# Altium PCB Center Console.PcbDoc (continued)
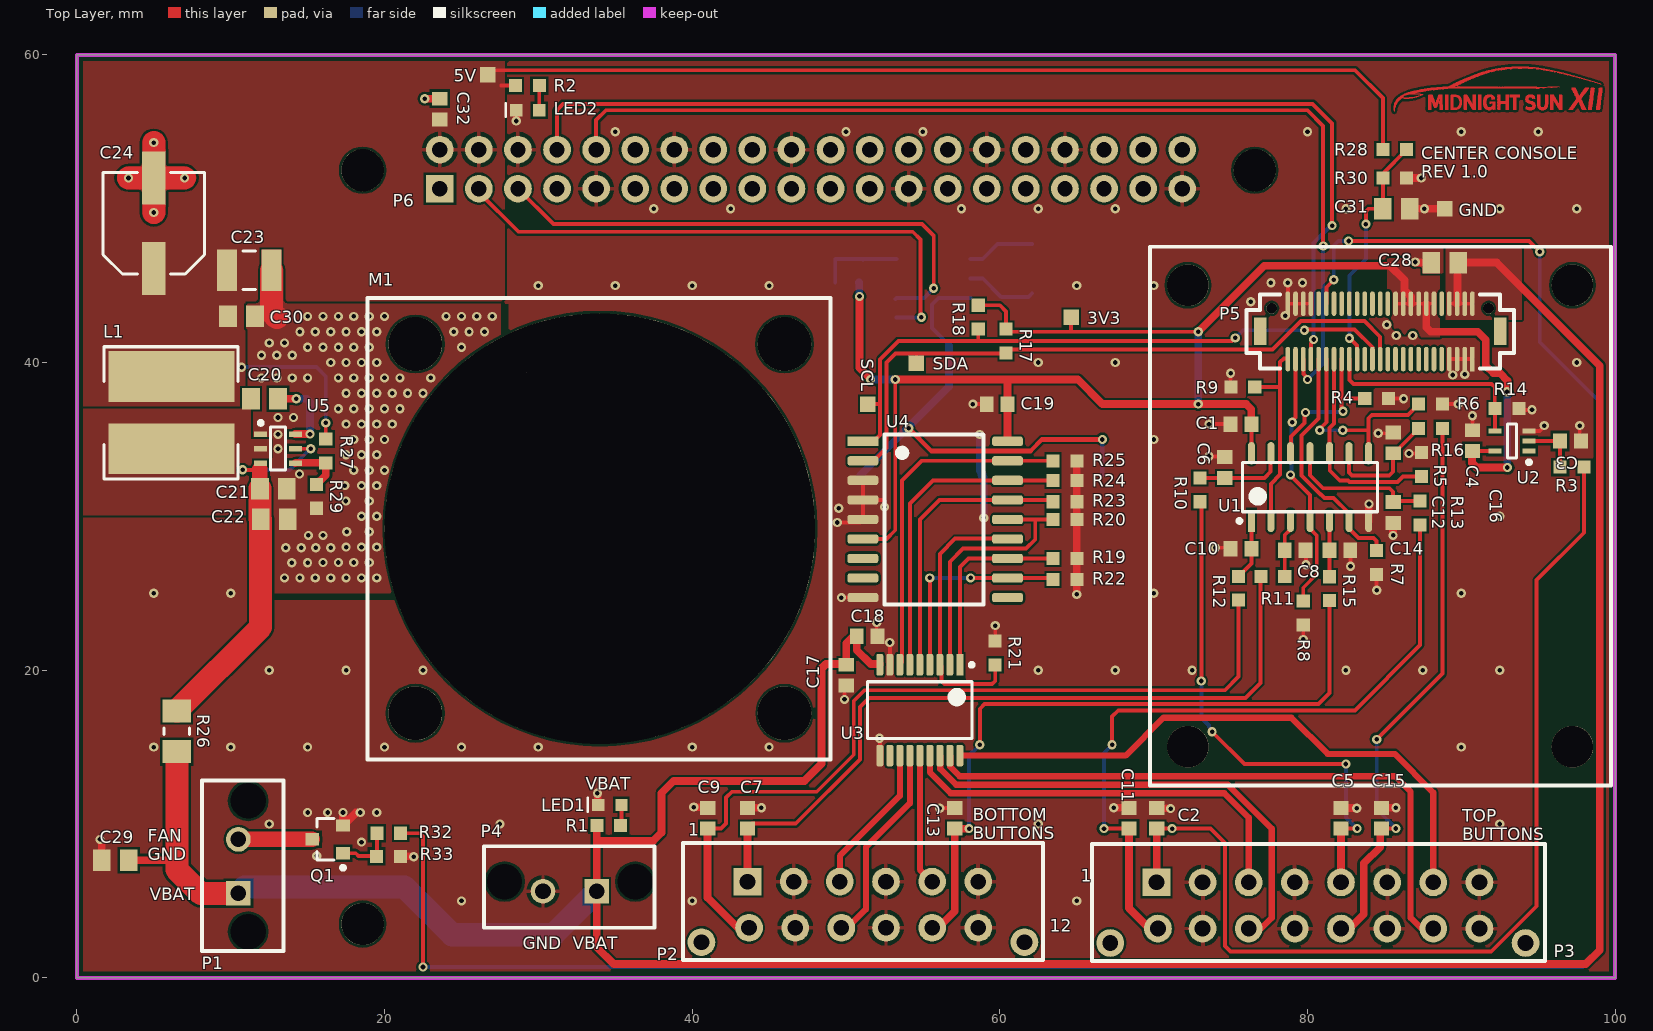
[diagram p0: Top Layer view]
## Part data (continued)
P2: "Connector Header Through Hole 12 position 0.118\" (3.00mm)", Current Rating=-, Insulation Color=Black, Manufacturer="Molex, LLC", Manufacturer Part Number=0430451227, Material Flammability Rating="UL94 V-0", Supplier Part Number 1=WM10697-ND, Applications="General Purpose, Medical, Military, Telecommunications", Category="Connectors, Interconnects", ComponentLink1Description=https://www.molex.com/pdm_docs/sd/430451227_sd.pdf, ComponentLink1URL=https://www.molex.com/pdm_docs/sd/430451227_sd.pdf, Connector Type=Header, Contact Finish - Mating=Tin, Contact Finish - Post=Tin, Contact Finish Thickness - Mating="60.0µin (1.52µm)", Contact Finish Thickness - Post=-, Contact Length - Mating=-, Contact Length - Post="0.125\" (3.18mm)", Contact Material=Brass, Contact Shape=Square, Contact Type="Male Pin", Fastening Type="Locking Ramp", Features="Board Guide", Ingress Protection=-, Insulation Height="0.390\" (9.91mm)", Insulation Material="Liquid Crystal Polymer (LCP), Glass Filled", Mated Stacking Heights=-, Mounting Type="Through Hole", Number of Positions=12, Number of Positions Loaded=All, Number of Rows=2, Operating Temperature=-, Overall Contact Length=-, Packaging=Tray, Part Status=Active, Pitch - Mating="0.118\" (3.00mm)", Pricing 1="1=3.61, 10=3.283, 25=3.0816, 50=2.9478, 100=2.8138, 250=2.5458, 500=2.34482, 1008=2.00985, 3024=1.87586 (CAD)", RoHS="RoHS Compliant", Row Spacing - Mating="0.118\" (3.00mm)", Shrouding="Shrouded - 4 Wall", Stock 1=1709, Style="Board to Cable/Wire", Supplier 1=Digi-Key, Termination=Solder, Voltage Rating=-
P3: "Connector Header Through Hole 16 position 0.118\"(3.00mm)", Color=Black, Contact Resistance=10mR, Manufacturer=Molex, Manufacturer Part Number=0430451627, Max Operating Temperature=105°C, Min Operating Temperature=-40°C, Package Quantity=792, Supplier Part Number 1=WM10708-ND, ComponentLink1Description=http://www.molex.com/pdm_docs/sd/430451627_sd.pdf, ComponentLink1URL=http://www.molex.com/pdm_docs/sd/430451627_sd.pdf, ComponentLink2Description=http://www.molex.com/webdocs/datasheets/pdf/en-us/0430451627_PCB_HEADERS.pdf, ComponentLink2URL=http://www.molex.com/webdocs/datasheets/pdf/en-us/0430451627_PCB_HEADERS.pdf, Connector Type="Male Pin", Contact Material=Brass, Contact Plating=Tin, Depth=8.77mm, Fastening Type=Ramp, Housing Color=Black, Housing Material=Polymer, Length=28.15mm, Mount="Through Hole", Number of Contacts=16, Number of Ports=1, Number of Positions=16, Number of Rows=2, Number of Terminals=16, Orientation=Straight, Packaging=Tray, Pitch=3mm, Pricing 1="1 = 3.26000, 10 = 3.12900, 25 = 2.86800, 50 = 2.73780, 100 = 2.60740, 250 = 2.28148, 792 = 2.02073, 1584 = 1.82518, 3168 = 1.75999 (USD)", RoHS=Yes, Row Spacing=0.118inch, Stock 1=4654, Supplier 1=Digi-Key, Termination=Solder
P4: "2 Positions Header, Shrouded Connector 0.138\" (3.50mm) Through Hole Gold", Current Rating=-, Insulation Color=Black, Manufacturer 1="Molex, LLC", Manufacturer Part Number 1=1722861302, Material Flammability Rating="UL94 V-0", Operating Temperature="-40°C ~ 120°C", Supplier Part Number 1=WM11673-ND, Voltage=400V, ComponentLink1Description=http://www.molex.com/pdm_docs/sd/1722861302_sd.pdf, ComponentLink1URL=http://www.molex.com/pdm_docs/sd/1722861302_sd.pdf, Connector Type=Header, Contact Finish - Mating=Gold, Contact Finish - Post=Tin, Contact Finish Thickness - Mating="30µin (0.76µm)", Contact Finish Thickness - Post="60µin (1.52µm)", Contact Length - Mating=-, Contact Length - Post="0.126\" (3.20mm)", Contact Material="Copper Alloy", Contact Shape=Square, Contact Type="Male Pin", Fastening Type="Latch Holder", Ingress Protection=-, Insulation Height="0.465\" (11.80mm)", Insulation Material="Liquid Crystal Polymer (LCP)", Mated Stacking Heights=26.99mm, Mounting Type="Through Hole", Number of Positions=2, Number of Positions Loaded=All, Number of Rows=1, Overall Contact Length=-, Packaging=Tray, Part Status=Active, Pitch - Mating="0.138\" (3.50mm)", Row Spacing - Mating=-, Series=UltraFit, Shrouding="Shrouded - 4 Wall", Style="Board to Board or Cable", Supplier 1=Digi-Key, Termination="Kinked Pin, Solder"
P5: "50 Position Connector Plug, Outer Shroud Contacts Surface Mount Gold", Manufacturer 1="Amphenol FCI", Manufacturer Part Number 1=10132797-055100LF, Supplier Part Number 1=609-5226-1-ND, ComponentLink1Description=http://portal.fciconnect.com/Comergent//fci/drawing/10132797.pdf, ComponentLink1URL=http://portal.fciconnect.com/Comergent//fci/drawing/10132797.pdf, Connector Type="Plug, Outer Shroud Contacts", Contact Finish=Gold, Contact Finish Thickness="1µin (0.025µm)", Height Above Board="0.169\" (4.30mm)", Mated Stacking Heights=5mm, Mounting Type="Surface Mount", Number of Positions=50, Number of Rows=2, Packaging="Cut Tape (CT)", Part Status=Active, Pitch="0.020\" (0.50mm)", Series="BergStak Plug", Supplier 1=Digi-Key
P6: "GPIO HEADER FOR RASPBERRYPI A+/B", Manufacturer="Adafruit Industries", Manufacturer Part Number=1992, Supplier Part Number 1=1528-1969-ND, ComponentLink1Description="gpio header raspberry pi", ComponentLink1URL=https://www.digikey.ca/product-detail/en/adafruit-industries-llc/1992/1528-1969-ND/6827092, Pricing 1="1=2.95 (USD)", Stock 1=175, Supplier 1=Digi-Key
Q1: "N-Channel 30V 6.2A (Ta) 900mW (Ta) Surface Mount SOT-23", Case/Package=TO-236-3, Continuous Drain Current (ID)=6.2A, Drain to Source Voltage (Vdss)=30V, Input Capacitance=873pF, Manufacturer=Diodes, Manufacturer Part Number=DMN3023L-7, Max Operating Temperature=150°C, Max Power Dissipation=900mW, Min Operating Temperature=-55°C, Supplier Part Number 1=DMN3023L-7DICT-ND, ComponentLink1Description=https://www.diodes.com/assets/Datasheets/DMN3023L.pdf, ComponentLink1URL=https://www.diodes.com/assets/Datasheets/DMN3023L.pdf, ComponentLink2Description=http://www.mouser.com/ds/2/115/DMN3023L-959533.pdf, ComponentLink2URL=http://www.mouser.com/ds/2/115/DMN3023L-959533.pdf, Mount="Surface Mount", Packaging="Tape and Reel", Pricing 1="1=0.47, 10=0.368, 100=0.2529, 500=0.1734, 1000=0.1301 (USD)", Rds On Max=25mR, Stock 1=38246, Supplier 1=Digi-Key
R1 R2 R4 R5 R6 R7 R8 R9 R14 R19 R20 R21 R22 R23 R24 R25 R28 R29 R30 R33: "RES SMD 10K OHM 1% 1/10W 0603", Manufacturer 1=Yageo, Manufacturer Part Number 1=RC0603FR-0710KL, Operating Temperature="-55°C ~ 155°C", Package / Case="0603 (1608 Metric)", Power=1/10W, Resistance=10k, Supplier Device Package=0603, Supplier Part Number 1=311-10.0KHRCT-ND, Temperature Coefficient=±100ppm/°C, Tolerance=±1%, ComponentLink1Description=http://www.yageo.com/documents/recent/PYu-RC_Group_51_RoHS_L_7.pdf, ComponentLink1URL=http://www.yageo.com/documents/recent/PYu-RC_Group_51_RoHS_L_7.pdf, Composition="Thick Film", Failure Rate=-, Height - Seated (Max)="0.022\" (0.55mm)", Packaging="Cut Tape (CT)", Part Status=Active, Size / Dimension="0.063\" L x 0.031\" W (1.60mm x 0.80mm)", Supplier 1=Digi-Key
R3 R10 R11 R12 R13 R15 R16 R31: library part "RES 1K OHM 5% 1/10W 0603", "1k Ohm ±5% 0.1W, 1/10W Chip Resistor 0603 (1608 Metric)", Manufacturer=Yageo, Manufacturer Part Number=RC0603JR-071KL, Operating Temperature="-55°C ~ 155°C", Package / Case="0603 (1608 Metric)", Power (Watts)="0.1W, 1/10W", Resistance (Ohms)=1k, Supplier Device Package=0603, Supplier Part Number 1=311-1.0KGRCT-ND, Temperature Coefficient=±100ppm/°C, Tolerance=±5%, Category=Resistors, ComponentLink1Description=http://www.yageo.com/documents/recent/PYu-RC_Group_51_RoHS_L_7.pdf, ComponentLink1URL=http://www.yageo.com/documents/recent/PYu-RC_Group_51_RoHS_L_7.pdf, Composition="Thick Film", Failure Rate=-, Features="Moisture Resistant", Height - Seated (Max)="0.022\" (0.55mm)", Packaging="Cut Tape (CT)", Part Status=Active, Pricing 1="1=0.15, 10=0.017, 100=0.0071, 1000=0.0032, 2500=0.00278 (CAD)", RoHS="RoHS Compliant", Size / Dimension="0.063\" L x 0.031\" W (1.60mm x 0.80mm)", Stock 1=4415240, Supplier 1=Digi-Key
R17 R18: "4.7k Ohm ±1% 0.1W, 1/10W Chip Resistor 0603 (1608 Metric) Moisture Resistant Thick Film", Manufacturer 1=Yageo, Manufacturer Part Number 1=RC0603FR-074K7L, Operating Temperature="-55°C ~ 155°C", Package / Case="0603 (1608 Metric)", Power (Watts)=1/10W, Resistance (Ohms)=4.7k, Supplier Device Package=0603, Supplier Part Number 1=311-4.70KHRCT-ND, Temperature Coefficient=±100ppm/°C, Tolerance=±1%, Category=Resistors, ComponentLink1Description=http://www.yageo.com/documents/recent/PYu-RC_Group_51_RoHS_L_7.pdf, ComponentLink1URL=http://www.yageo.com/documents/recent/PYu-RC_Group_51_RoHS_L_7.pdf, Composition="Thick Film", Description 1="RES SMD 4.7K OHM 1% 1/10W 0603", Failure Rate=-, Features="Moisture Resistant", Height - Seated (Max)="0.022\" (0.55mm)", Packaging="Cut Tape (CT)", Part Status=Active, Pricing 1="1=0.16, 10=0.022, 100=0.0089, 1000=0.00402, 2500=0.00349 (CAD)", RoHS="RoHS Compliant", Size / Dimension="0.063\" L x 0.031\" W (1.60mm x 0.80mm)", Stock 1=3487566, Supplier 1=Digi-Key
R26: "0.006 Ohm ±1% 0.5W, 1/2W Chip Resistor 1206 (3216 Metric) Automotive AEC-Q200, Current Sense, Moisture Resistant Metal Element", Manufacturer="Panasonic Electronic Components", Manufacturer Part Number=ERJ-MP2KF6M0U, Operating Temperature="-65°C ~ 170°C", Package / Case="1206 (3216 Metric)", Power (Watts)=1/2W, Resistance (Ohms)=0.006R, Supplier Device Package=1206, Supplier Part Number 1=P19333CT-ND, Temperature Coefficient=±75ppm/°C, Tolerance=±1%, Category=Resistors, ComponentLink1Description=http://industrial.panasonic.com/cdbs/www-data/pdf/RDN0000/AOA0000C263.pdf, ComponentLink1URL=http://industrial.panasonic.com/cdbs/www-data/pdf/RDN0000/AOA0000C263.pdf, Composition="Metal Element", Failure Rate=-, Features="Automotive AEC-Q200, Current Sense, Moisture Resistant", Height - Seated (Max)="0.035\" (0.89mm)", Packaging="Cut Tape (CT)", Part Status=Active, RoHS="RoHS Compliant", Size / Dimension="0.125\" L x 0.063\" W (3.18mm x 1.60mm)", Supplier 1=Digi-Key
R27: "54.9k Ohm ±1% 0.1W, 1/10W Chip Resistor 0603 (1608 Metric) Automotive AEC-Q200 Thick Film", Manufacturer="Panasonic Electronic Components", Manufacturer Part Number=ERJ-3EKF5492V, Operating Temperature="-55°C ~ 155°C", Package / Case="0603 (1608 Metric)", Power (Watts)=1/10W, Resistance (Ohms)=54.9k, Supplier Device Package=0603, Supplier Part Number 1=P54.9KHCT-ND, Temperature Coefficient=±100ppm/°C, Tolerance=±1%, Category=Resistors, ComponentLink1Description=https://industrial.panasonic.com/cdbs/www-data/pdf/RDA0000/AOA0000C298.pdf, ComponentLink1URL=https://industrial.panasonic.com/cdbs/www-data/pdf/RDA0000/AOA0000C298.pdf, Composition="Thick Film", Failure Rate=-, Features="Automotive AEC-Q200", Height - Seated (Max)="0.022\" (0.55mm)", Packaging="Cut Tape (CT)", Part Status=Active, Pricing 1="1=0.16, 10=0.031, 100=0.0127, 1000=0.00567, 2500=0.00492 (CAD)", RoHS="RoHS Compliant", Size / Dimension="0.063\" L x 0.031\" W (1.60mm x 0.80mm)", Stock 1=74038, Supplier 1=Digi-Key
R32: "100 Ohm ±1% 0.1W, 1/10W Chip Resistor 0603 (1608 Metric) Moisture Resistant Thick Film", Manufacturer 1=Yageo, Manufacturer Part Number 1=RC0603FR-07100RL, Operating Temperature="-55°C ~ 155°C", Package / Case="0603 (1608 Metric)", Power=1/10W, Resistance=100, Supplier Device Package=0603, Supplier Part Number 1=311-100HRCT-ND, Temperature Coefficient=±100ppm/°C, Tolerance=±1%, ComponentLink1Description=http://www.yageo.com/documents/recent/PYu-RC_Group_51_RoHS_L_7.pdf, ComponentLink1URL=http://www.yageo.com/documents/recent/PYu-RC_Group_51_RoHS_L_7.pdf, Composition="Thick Film", Failure Rate=-, Height - Seated (Max)="0.022\" (0.55mm)", Packaging="Cut Tape (CT)", Part Status=Active, Size / Dimension="0.063\" L x 0.031\" W (1.60mm x 0.80mm)", Supplier 1=Digi-Key
U1: "Inverter IC 6 Channel Schmitt Trigger 14-TSSOP", Case/Package=TSSOP, High Level Output Current=5.2mA, Manufacturer=STMicroelectronics, Manufacturer Part Number=M74HC14YTTR, Max Operating Temperature=125°C, Max Supply Voltage=6V, Min Operating Temperature=-40°C, Min Supply Voltage=2V, Package Quantity=2500, Quiescent Current=1uA, Supplier Part Number 1=497-14387-1-ND, ComponentLink1Description=Digikey, ComponentLink1URL=https://www.digikey.ca/product-detail/en/stmicroelectronics/M74HC14YTTR/497-14387-1-ND/4725844, ComponentLink2Description=http://www.st.com/content/ccc/resource/technical/document/datasheet/19/a3/52/42/dd/ab/4b/46/CD00000263.pdf/files/CD00000263.pdf/jcr:content/translations/en.CD00000263.pdf, ComponentLink2URL=http://www.st.com/content/ccc/resource/technical/document/datasheet/19/a3/52/42/dd/ab/4b/46/CD00000263.pdf/files/CD00000263.pdf/jcr:content/translations/en.CD00000263.pdf, ComponentLink3Description=http://www.st.com/st-web-ui/static/active/en/resource/technical/document/datasheet/CD00000263.pdf, ComponentLink3URL=http://www.st.com/st-web-ui/static/active/en/resource/technical/document/datasheet/CD00000263.pdf, Lead Free="Lead Free", Logic Function=Inverter, Low Level Output Current=5.2mA, Mount="Surface Mount", Number of Circuits=6, Number of Inputs=6, Number of Pins=14, Packaging="Tape and Reel", Pricing 1="1 = 0.44000, 10 = 0.37500, 100 = 0.27970, 500 = 0.21980, 1000 = 0.16985 (USD)", Propagation Delay=21ns, RoHS=Yes, Stock 1=20035, Supplier 1=Digi-Key, Turn-On Delay Time=25ns, Weight=0.004949oz
U2: "Inverter IC 1 Channel Schmitt Trigger SC-70-5", Case/Package=TSSOP, High Level Output Current=5.2mA, Manufacturer=STMicroelectronics, Manufacturer Part Number=M74HC14YTTR, Max Operating Temperature=125°C, Max Supply Voltage=6V, Min Operating Temperature=-40°C, Min Supply Voltage=2V, Package Quantity=2500, Quiescent Current=1uA, Supplier Part Number 1=296-47215-1-ND, Lead Free="Lead Free", Logic Function=Inverter, Low Level Output Current=5.2mA, Mount="Surface Mount", Number of Bits=1, Number of Circuits=6, Number of Inputs=6, Number of Pins=14, Packaging="Tape and Reel", Pricing 1="1 = 0.36000, 10 = 0.29000, 100 = 0.19780, 500 = 0.14832, 1000 = 0.11124 (USD)", Propagation Delay=21ns, RoHS=Yes, Stock 1=11031, Supplier 1=Digi-Key, Turn-On Delay Time=25ns, Weight=0.004949oz
U3: "IC LOAD SWITCH 8CHANNEL 0.5A 18SOP", Case/Package=SOIC, Manufacturer=Toshiba, Manufacturer Part Number=TBD62783AFG,EL, Max Operating Temperature=85°C, Max Output Current=500mA, Min Operating Temperature=-40°C, Supplier Part Number 1=TBD62783AFGELCT-ND, Interface=On/Off, Number of Outputs=8, Number of Pins=18, Output Configuration="High Side", Packaging="Cut Tape", Pricing 1="1 = 1.15000, 10 = 1.02200, 25 = 0.92280, 100 = 0.80750, 250 = 0.70864, 500 = 0.62624 (USD)", RoHS=Yes, Stock 1=8776, Supplier 1=Digi-Key
U4: library part "IC I/O EXPANDER I2C 8B 18SOIC", "MCP23008 I/O Expander 8B+1Int 18P SOIC", Current - Output Source/Sink=25mA, Manufacturer="Microchip Technology", Manufacturer Part Number=MCP23008T-E/SO, Operating Temperature="-40°C ~ 125°C", Package / Case="18-SOIC (0.295\", 7.50mm Width)", Supplier Device Package=18-SOIC, Supplier Part Number 1=MCP23008T-E/SOCT-ND, Voltage - Supply="1.8 V ~ 5.5 V", Category="Integrated Circuits (ICs)", ComponentLink1Description=http://www.microchip.com/mymicrochip/filehandler.aspx?ddocname=en021920, ComponentLink1URL=http://www.microchip.com/mymicrochip/filehandler.aspx?ddocname=en021920, Features=POR, Interface=I²C, Interrupt Output=Yes, Mounting Type="Surface Mount", Number of I/O=8, Output Type=Push-Pull, Packaging="Cut Tape (CT)", Part Status=Active, Pricing 1="1=1.62, 25=1.3548, 100=1.2431 (CAD)", RoHS="RoHS Compliant", Stock 1=5607, Supplier 1=Digi-Key
U5: "Buck Switching Regulator IC Positive Adjustable 0.6V 1 Output 5A SOT-23-6 Thin, TSOT-23-6", Manufacturer="Texas Instruments", Manufacturer Part Number=TPS565201DDCT, Max Operating Temperature=125°C, Min Operating Temperature=-40°C, Supplier Part Number 1=296-47501-1-ND, Pricing 1="1 = 2.46000, 10 = 2.21100, 100 = 1.77710 (USD)", Stock 1=2226, Supplier 1=Digi-Key
U6: "Real Time Clock (RTC) IC Clock/Calendar I²C, 2-Wire Serial 8-SOIC (0.154\", 3.90mm Width)", Case/Package=SO, Manufacturer="NXP Semiconductors", Manufacturer Part Number=PCF8523T/1,118, Max Operating Temperature=85°C, Max Supply Voltage=5.5V, Min Operating Temperature=-40°C, Min Supply Voltage=1.2V, Package Quantity=2500, Supplier Part Number 1=568-5306-1-ND, ComponentLink1Description=https://datasheet.ciiva.com/15152/getdatasheetpartid-445247-15152839.pdf, ComponentLink1URL=https://datasheet.ciiva.com/15152/getdatasheetpartid-445247-15152839.pdf, ComponentLink2Description=https://datasheet.ciiva.com/1238/pcf8523-1238780.pdf, ComponentLink2URL=https://datasheet.ciiva.com/1238/pcf8523-1238780.pdf, ComponentLink3Description=https://datasheet.ciiva.com/1238/pcf8523-1238781.pdf, ComponentLink3URL=https://datasheet.ciiva.com/1238/pcf8523-1238781.pdf, ComponentLink4Description=https://datasheet.ciiva.com/16286/pcf8523-16286477.pdf, ComponentLink4URL=https://datasheet.ciiva.com/16286/pcf8523-16286477.pdf, ComponentLink5Description=https://datasheet.ciiva.com/1238/pcf8523-1238782.pdf, ComponentLink5URL=https://datasheet.ciiva.com/1238/pcf8523-1238782.pdf, Contact Plating=Gold, Interface=I2C, Lead Free="Lead Free", Logic Function=Clock, Mount="Surface Mount", Number of Pins=8, Packaging="Tape and Reel", Pricing 1="1=1.3, 10=1.16, 100=0.9045, 500=0.74718, 1000=0.58988 (USD)", Radiation Hardening=No, REACH SVHC="No SVHC", Stock 1=18252, Supplier 1=Digi-Key, Time Format=HH:MM:SS
Y1: "32.768kHz ±20ppm Crystal 12.5pF 50 kOhms 4-SOJ, 5.50mm pitch", ESR (Equivalent Series Resistance)=50kR, Frequency=32.768kHz, Frequency Tolerance=20ppm, Load Capacitance=12.5pF, Manufacturer="ECS International", Manufacturer Part Number=ECS-.327-12.5-17X-TR, Max Operating Temperature=85°C, Min Operating Temperature=-40°C, Package Quantity=1, Supplier Part Number 1=XC1195CT-ND, ComponentLink1Description=https://datasheet.ciiva.com/852/ecx-306x-852775.pdf, ComponentLink1URL=https://datasheet.ciiva.com/852/ecx-306x-852775.pdf, ComponentLink2Description=https://datasheet.ciiva.com/852/ecx-306x-852776.pdf, ComponentLink2URL=https://datasheet.ciiva.com/852/ecx-306x-852776.pdf, ComponentLink3Description=https://datasheet.ciiva.com/852/ecx-306x-852777.pdf, ComponentLink3URL=https://datasheet.ciiva.com/852/ecx-306x-852777.pdf, Height=0.098inch, Lead Free="Lead Free", Length=0.315inch, Mount="Surface Mount", Packaging="Tape and Reel", Pricing 1="1=0.56, 10=0.468, 50=0.4208, 100=0.374, 500=0.3553, 1000=0.2992 (USD)", Stock 1=67622, Supplier 1=Digi-Key, Termination=SMD/SMT, Tolerance=20ppm, Width=0.15inch

## Free pads (board coordinates)
  round 2.75 hole 2.75: 1(18.575,3.5) 2(18.575,52.5) 4(76.575,52.5)
  round 2.7 hole 2.7: ""(72.225,15.025) ""(72.225,45.025) ""(97.225,15.025) ""(97.225,45.025)

## Via types
v1: diameter 0.6, hole 0.3, Top Layer to Bottom Layer, tented both sides, 231 vias
v2: diameter 0.6, hole 0.3, Top Layer to Bottom Layer, 42 vias

## Nets (pads, with @x,y where several pads share a name; then routed paths per layer and width w, separated by ;. In a path a pad name is that pad's centre, name@x,y a point inside that pad or via, vN(x,y) a via of type N, cw(c..) or ccw(c..) an arc to the next point about the centre after c; other vN are vias at no path point)
3V3: 3V3.TP C1.1 C4.1 C19.1 P5.40 P5.41 P5.42 P5.43 P5.44 P5.45 R17.1 R18.1 R31.1 U1.14 U2.5 U4.6 U4.18 | length 112
  Top Layer w0.25: U4.6 52.63,28.53 53.2,29.1 v1(53.2,38.9) ; R18.1 60,43.725 60.4,43.325 R17.1 60.575,42 64.536,42 ; 3V3.TP 64.635,42.099 64.536,42 ; v2(72.9,42) 64.536,42 ; P5.40 P5.41 P5.42 P5.43 P5.44 P5.45
  Top Layer w0.254: U1.14 C1.1 ; C4.1 U2.5
  Top Layer w0.5: v1(50.875,44.3) 50.875,39.652 51.6,38.927 v1(51.6,38.9) ; v1(53.2,38.9) 60.4,38.9 ; U4.18 C19.1 60.5,38.8 60.4,38.9 ; v2(72.9,42) 77.2,46.3 85.365,46.3 86.313,45.352 86.313,44.687 86.725,44.275 P5.42 ; C1.1 76.355,36.97 76.025,37.3 v2(72.9,37.3) 66.675,37.3 65.075,38.9 60.4,38.9 ; P5.44 87.725,42.293 88.018,42 91.075,42 91.6,41.475 91.6,39.8 92.1,39.3 92.525,39.3 93,38.825 93,38.125 v1(92.975,38.1) ; C4.1 90.7,34.225 90.7,33.468 90.993,33.175 v1(93,33.175)
  Bottom Layer w0.5: R31.1 50.862,45.188 50.862,44.312 v1(50.875,44.3) ; v1(51.6,38.9) v1(53.2,38.9) ; v2(72.9,37.3) v2(72.9,42) ; v1(92.975,38.1) 92.988,38.088 92.988,33.188 v1(93,33.175)
+5V: 5V.TP C23.1 C24.1 C30.1 C32.1 L1.2 P6.2 P6.4 R2.1 R27.1 R28.1 | length 72.5
  Top Layer w0.25: v2@10.7,39.7 v2(10.709,39.7) ; R27.1 v2(16.177,36.075) ; 5V.TP@27.196,59 83.1,59 84.9,57.2 R28.1 ; 27.6,58 R2.1
  Bottom Layer w0.25: v2(10.709,39.7) 15.575,39.7 16.177,39.098 v2(16.177,36.075)
+12V: C17.1 C18.1 C28.1 C29.1 P1.1 P4.1 P5.47 P5.48 P5.49 P5.50 R1.1 R26.1 U3.9 | length 200.8
  Top Layer w0.25: 6.35,7.65 6.5,7.5 ; P5.49 P5.50
  Top Layer w0.254: P5.47 P5.48 P5.49
  Top Layer w0.5: C29.1 6.35,7.65 ; R1.1 33.8,8.9 ; U3.9 52.2,20.375 52.175,20.4 51.6,20.4 50.7,21.3 C18.1 50.475,22.2 50.025,21.75 C17.1 49.975,20.4 48.7,20.4 48.41,20.11 48.41,13.91 47.3,12.8 38.8,12.8 38,12 38,9.425 37.475,8.9 33.8,8.9 ; P5.48 89.75,43.85 89.75,46.45 C28.1 92.3,46.5 99,39.8 99,1.8 98.1,0.9 34.9,0.9 33.8,2 P4.1 33.8,8.9
  Top Layer w1.5: R26.1 6.5,7.5 6.5,7.03 8.055,5.475 10.475,5.475 P1.1
  Bottom Layer w1.5: P1.1 10.9,5.9 21.3,5.9 24.4,2.8 30.975,2.8 P4.1
DRIVE_BTN: C15.1 P3.13 R16.1 | length 37.4
  Top Layer w0.25: C15.1 84.821,9.706 v1(85.75,9.706)
  Top Layer w0.254: v1(84.5,15.5) 88.775,19.775 R16.1
  Top Layer w0.5: P3.13@82.18,2.655 83.66,4.135 83.66,7.435 84.725,8.5 84.725,9.61 C15.1
  Bottom Layer w0.25: v1(84.5,15.5) 84.5,10.956 v1(85.75,9.706)
DRIVE_FILTER: C16.1 R16.2 U1.9 | length 7.8
  Top Layer w0.254: U1.9 82.705,32.845 82.9,32.65 85.315,32.65 85.565,32.9 C16.1 85.615,34.1 86.558,35.043 86.568,35.043 R16.2
DRIVE_LED: P3.15 U3.17 | length 41.5
  Top Layer w0.4: U3.17 56.775,14.425 56.775,13.718 57.388,13.105 85.695,13.105 86.7,12.1 86.7,3.9 87.945,2.655 P3.15@88.18,2.655
DRIVE_LED_EN: R20.1 U3.2 U4.14 | length 17.2
  Top Layer w0.25: U3.2 56.75,27.05 57.6,27.9 61.7,27.9 62.3,28.5 62.3,29.8 ; U4.14 62.3,29.8 ; R20.1@63.55,29.8 R20.1 62.3,29.8
DRL_BTN: C13.1 P2.11 R15.1 | length 45.6
  Top Layer w0.254: v1(58.7,15.15) 58.7,17.494 59,17.794 80.719,17.794 81.43,18.505 R15.1
  Top Layer w0.5: P2.11@55.6,2.855 57.075,4.33 57.075,9.425 C13.1@57.212,9.563 ; C13.1 v1(58,9.7)
  Bottom Layer w0.254: v1(58,9.7) 58,14.45 v1(58.7,15.15)
DRL_FILTER: C14.1 R15.2 U1.5 | length 3.6
  Top Layer w0.254: R15.2 C14.1 81.435,27.805 U1.5
DRL_LED: P2.5 U3.14 | length 8.9
  Top Layer w0.4: U3.14 54.8,7.034 55.6,6.234 P2.5@55.6,5.855
DRL_LED_EN: R23.1 U3.5 U4.15 | length 18.7
  Top Layer w0.25: U3.5 54.8,29.801 56.069,31.07 U4.15 63.34,31.07 R23.1
FAN_GND: P1.2 Q1.3 | length 4.8
  Top Layer w1: P1.2 Q1.3
GND: BT1.2 C1.2 C2.2 C3.2 C4.2 C5.2 C6.2 C7.2 C8.2 C9.2 C10.2 C11.2 C12.2 C13.2 C14.2 C15.2 C16.2 C17.2 C18.2 C19.2 C21.2 C22.2 C23.2 C24.2 C25.2 C26.2 C27.2 C28.2 C29.2 C30.2 C31.2 C32.2 GND.TP LED1.2 LED2.2 P2.2 P2.4 P2.6 P2.8 P2.10 P2.12 P3.2 P3.4 P3.6 P3.8 P3.10 P3.12 P3.14 P3.16 P4.2 P5.1 P5.2 P5.3 P5.4 P5.26 P5.27 P5.28 P5.29 P6.6 P6.9 P6.14 P6.20 P6.25 P6.30 P6.34 P6.39 Q1.2 R4.2 R5.2 R6.2 R7.2 R8.2 R9.2 R14.2 R19.2 R20.2 R21.2 R22.2 R23.2 R24.2 R25.2 R29.2 R30.2 R33.2 U1.7 U2.3 U3.8 U3.10 U4.3 U4.4 U4.5 U4.9 U5.1 U6.4 | length 81.2
  Top Layer w0.25: v2(49.425,29.6) 50.9,29.6 U4.5 U4.4 ; C17.2@49.7,19.125 49.9,18.925 v1(49.9,18.1) ; v2(49.7,24.72) U4.9 ; U4.3 U4.4 ; v1(52,23.1) 52,22.25 C18.2 ; v2(52.175,15.574) 52.2,15.549 U3.10 ; v2(52.5,30.6) 52.5,30.994 52.424,31.07 U4.4 ; U3.8 v1(52.85,21.8) ; v2(56.1,11.019) 56.131,11.05 C13.2 ; v1(58.25,37.3) C19.2 ; R21.2 v1(59.7,22.9) ; v1(74,27.96) 74.945,27.96 C10.2 ; v2@78.725,45.139 P5.26 P5.27 P5.28 P5.29 ; C8.2 79.9,27.775 v1(79.9,26.86) ; P5.4 P5.3 P5.2 ; v2(90.225,39.226) P5.2 ; C4.2 v2(90.725,36.539) ; P5.1 P5.2 ; R14.2 93.825,36.925 v1(94.6,36.925) ; v1(97.7,35.9) 97.7,34.975 C3.2
  Top Layer w0.254: v1(73.6,33.9) 74.578,33.9 C6.2 ; v1(73.6,36) C1.2 ; v1(75.005,39.3) 75.005,38.42 R9.2 ; v1(79.725,22) R8.2 ; C14.2 82.8,27.78 v1(82.8,26.75) ; v1(84.5,25.2) R7.2 ; v1(84.6,35.4) 85.515,35.4 C16.2 ; R4.2 v1(86.25,37.65) ; v1(86.6,34.089) 87.339,34.089 R5.2 ; R6.2 v1(89.8,37.3) ; U2.3 95.1,35.55 95.4,35.85 v1(95.4,35.9)
  Top Layer w0.5: v2(1.5,9) 1.625,8.875 C29.2 ; v1(17.3,10.75) Q1.2 18.15,10.75 v1(18.417,10.75) ; R33.2@21.038,7.887 R33.2 21.875,7.9 v1(21.9,7.875) ; v2(22.62,57.15) C32.2 ; v2(28.563,55.705) LED2.2 ; v1(33.839,12) 33.858,11.981 33.858,11.282 LED1.2 ; v1(40.1,11.1) 40.119,11.081 40.969,11.081 C9.2 ; C7.2 v1(44.5,11.05) ; v2(65,24.925) 65.01,24.935 R22.2 R19.2 R20.2 R23.2 R24.2 R25.2 ; v1(67.4,11.05) C11.2 ; C2.2 70.231,11.019 71.081,11.019 v1(71.1,11) ; C5.2 82.195,11.035 83.185,11.035 v1(83.2,11.019) ; U1.7 83.975,30.775 v2(84,30.8) ; C15.2 v1(85.75,11.05) ; v2(85.565,28.761) C12.2 ; R30.2 v2(87.4,52) ; C31.2 v2(87.6,50) GND.TP ; v2(87,46.535) 87.035,46.5 C28.2
  Top Layer w1.5: v2(3.353,52) C24.2 ; v2(5,49.75) C24.2 ; v2(5,54.3) C24.2 ; v2(7,52) C24.2 ; C23.2 12.659,43.266 13,42.925
  Bottom Layer w0.5: v1(58.7,35.33) 58.7,32.963 58.894,32.769 BT1.2 58.95,32.525 v1(58.95,29.9)
  other v1: 25,5 40,5 65,5 15.6,7.925 18.5,8.823 12.5,10 27.5,10 62.5,10 92.5,10 15,10.75 16.3,10.75 19.5,10.75 5,15 10,15 15,15 20,15 25,15 30,15 40,15 45,15 90,15 12.5,20 17.5,20 22.5,20 62.5,20 67.5,20 72.5,20 82.5,20 87.5,20 92.5,20 5,25 10,25 70,25 90,25 13.5,26 14.5,26 15.5,26 16.5,26 17.5,26 18.5,26 19.5,26 13.966,26.984 15,26.984 16,27 17,27 18,27 19,27 13.575,27.96 14.586,27.96 15.534,27.96 16.5,27.96 17.5,28 18.5,28 19.5,28 15.05,28.761 16.001,28.761 17.55,29 19,29 18.5,30 19.5,30 92.5,30 17.49,31 19,31 17.425,32 18.5,32 19.5,32 14.475,32.75 18,33 19,33 20,33 17.5,34 18.5,34 19.5,34 13.075,34.4 18,35 19,35 20,35 70,35 13.075,35.33 17.5,36 18.5,36 19.5,36 20.5,36 13.075,36.43 14.084,36.43 17,37 18,37 19,37 20,37 21,37 17.5,38 18.5,38 19.5,38 20.5,38 21.5,38 22.5,38 12,39 13,39 14,39 15,39 17,39 18,39 19,39 20,39 21,39 23,39 16.5,40 17.5,40 18.5,40 19.5,40 62.5,40 67.5,40 97.5,40 12,40.468 13,40.468 14,40.468 15,41 16,41 17,41 18,41 19,41 25,41 12.5,41.276 13.5,41.276 14.5,42 15.5,42 16.5,42 17.5,42 18.5,42 19.5,42 24.5,42 25.5,42 26.5,42 15,43 16,43 17,43 18,43 19,43 20,43 24,43 25,43 26,43 27,43 30,45 35,45 40,45 45,45 65,45 70,45 37.5,50 42.5,50 57.5,50 62.5,50 67.5,50 82.5,50 92.5,50 97.5,50 35,55 50,55 55,55 80,55 90,55 95,55
  other v2: 49.526,30.525 89.45,39.19 85.775,41.757 86.843,41.757 85.161,42.461 78.55,43.052 76.315,43.957 77.625,45.181 78.725,45.181 79.674,45.181
HAZARDS_BTN: C7.1 P2.1 R11.1 | length 50.1
  Top Layer w0.254: C7.1 43.923,10.023 46.733,10.023 50.904,14.194 50.904,17.609 51.495,18.2 75.975,18.2 76.95,19.175 76.95,26.075 R11.1
  Top Layer w0.5: P2.1@43.6,5.855 C7.1
HAZARDS_FILTER: C8.1 R11.2 U1.3 | length 3.8
  Top Layer w0.254: R11.2 C8.1 78.525,28.777 78.895,29.147 U1.3
HAZARDS_LED: P2.3 U3.12 | length 10.2
  Top Layer w0.4: P2.3@49.6,5.855 P2.3 49.6,7.923 53.5,11.823 U3.12
HAZARDS_LED_EN: R25.1 U3.7 U4.17 | length 22.4
  Top Layer w0.25: U3.7 53.648,20.498 53.648,32.34 54.918,33.61 U4.17 R25.1
I2C_SCL: P6.5 U6.6 | length 34.5
  Top Layer w0.25: P6.5 30.975,49 54.95,49 55.7,48.25 55.7,44.836 v1(55.694,44.83)
  Bottom Layer w0.25: U6.6@53.227,44.128 U6.6 55.059,44.195 v1(55.694,44.83)
I2C_SDA: P6.3 U6.5 | length 36.9
  Top Layer w0.25: P6.3 26.135,51.065 28.7,48.5 54.34,48.5 54.84,48 54.84,43.01 v1(54.9,42.95)
  Bottom Layer w0.25: U6.5@53.282,42.912 U6.5 53.307,42.938 54.887,42.938 v1(54.9,42.95)
LOW_BEAM_BTN: C9.1 P2.7 R12.1 | length 54.8
  Top Layer w0.25: C9.1 41.878,9.7 42.2,10.022 42.2,11.72 42.58,12.1 48.1,12.1 50.5,14.5 50.5,18 51.198,18.698 74.628,18.698 75.515,19.585 R12.1
  Top Layer w0.5: C9.1 41,5.203 43.348,2.855 P2.7@43.7,2.855
LOW_BEAM_FILTER: C10.1 R12.2 U1.1 | length 3.9
  Top Layer w0.25: R12.2 76.355,26.94 C10.1 U1.1
LOW_BEAM_LED: P2.9 U3.13 | length 13.4
  Top Layer w0.4: P2.9@49.7,2.855 51.3,4.455 51.3,8.5 54.15,11.35 U3.13
LOW_BEAM_LED_EN: R24.1 U3.6 U4.16 | length 20.4
  Top Layer w0.25: U3.6 54.15,30.837 55.652,32.34 U4.16 R24.1
NetBT1_1: BT1.1 BT1.3 C27.1 U6.3 | length 32.5
  Top Layer w0.3: v2(54.075,35.721) 55.546,34.25 61.993,34.25 62.743,35 v2(66.67,35)
  Bottom Layer w0.25: C27.1 56.7,41.15 55.6,42.25 55.6,43.77 56.025,44.195 U6.3
  Bottom Layer w0.3: BT1.3 v2(66.67,35)
  Bottom Layer w0.5: BT1.1 56.7,38.445 C27.1
NetC20_1: C20.1 U5.6 | length 5.2
  Top Layer w0.5: C20.1 v2(14.26,37.65) ; U5.6 v2(15.155,35.35)
  Bottom Layer w0.5: v2(14.26,37.65) 14.932,37.65 15.155,37.427 v2(15.155,35.35)
NetC20_2: C20.2 L1.1 U5.2
NetC21_1: C21.1 C22.1 R26.2 U5.3 U5.5 | length 25.6
  Top Layer w0.25: v2(10.773,33.024) 11.524,33.024 U5.3 ; U5.5 v2(15.2,34.4)
  Top Layer w1: C21.1 11.9,33.075
  Top Layer w1.5: R26.2 11.95,22.8 C22.1 11.9,29.85 C21.1
  Bottom Layer w0.25: v2(10.773,33.024) 13.824,33.024 v2(15.2,34.4) v2@15.35,34.25
NetC25_1: C25.1 C26.1 R31.2 U6.8 | length 5.6
  Bottom Layer w0.25: R31.2 C25.1 51.065,46.735 C26.1 51.135,46.735 U6.8
NetLED1_1: LED1.1 R1.2 | length 1.4
  Top Layer w0.254: R1.2 35.4,9.945 LED1.1
NetLED2_1: LED2.1 R2.2 | length 1.6
  Top Layer w0.25: LED2.1 R2.2
NetP5_12: P5.12
NetP5_35: P5.35
NetP5_46: P5.46
NetP6_1: P6.1
NetP6_7: P6.7
NetP6_11: P6.11
NetP6_12: P6.12
NetP6_13: P6.13
NetP6_15: P6.15
NetP6_16: P6.16
NetP6_17: P6.17
NetP6_18: P6.18
NetP6_19: P6.19
NetP6_21: P6.21
NetP6_22: P6.22
NetP6_23: P6.23
NetP6_24: P6.24
NetP6_26: P6.26
NetP6_27: P6.27
NetP6_28: P6.28
NetP6_29: P6.29
NetP6_31: P6.31
NetP6_32: P6.32
NetP6_33: P6.33
NetP6_35: P6.35
NetP6_36: P6.36
NetP6_37: P6.37
NetP6_38: P6.38
NetP6_40: P6.40
NetQ1_1: Q1.1 R32.2 R33.1 | length 3.7
  Top Layer w0.25: Q1.1 18.125,8.1 18.3,7.925 19.5,7.925 R32.2
NetR27_2: R27.2 R29.1 U5.4 | length 3.6
  Top Layer w0.5: U5.4 14.225,33.475 R27.2 16.177,32.677 R29.1
NetU2_1: U2.1
NetU3_11: U3.11
NetU4_7: U4.7
NetU4_8: U4.8
NetU4_10: U4.10
NetU6_1: U6.1 Y1.1 | length 4.4
  Bottom Layer w0.25: U6.1 58.894,46.735 59.859,47.7 Y1.1
NetU6_2: U6.2 Y1.4 | length 4.6
  Bottom Layer w0.25: U6.2 58.894,45.465 60.088,44.271 61.871,44.271 Y1.4
NetU6_7: U6.7
NetY1_2: Y1.2
NetY1_3: Y1.3
NEUTRAL_BTN: C11.1 P3.9 R13.1 | length 46.7
  Top Layer w0.254: v1(66.775,9.7) C11.1 ; v1(67.3,15.15) 67.3,16.987 67.7,17.387 83.087,17.387 87.325,21.625 R13.1
  Top Layer w0.5: C11.1 68.4,4.535 P3.9@70.28,2.655
  Bottom Layer w0.254: v1(66.775,9.7) 66.775,14.625 v1(67.3,15.15)
NEUTRAL_FILTER: C12.1 R13.2 U1.11 | length 9.7
  Top Layer w0.254: U1.11 80.165,32.675 81.015,31.825 85.34,31.825 85.565,31.6 C12.1 85.64,31 R13.2
NEUTRAL_LED: P3.11 U3.16 | length 31.8
  Top Layer w0.4: U3.16 56.125,14.425 56.125,13.586 57.159,12.552 74.829,12.552 77.675,9.706 77.675,3.9 76.43,2.655 P3.11@76.18,2.655
NEUTRAL_LED_EN: R21.1 U3.3 U4.13 | length 17.8
  Top Layer w0.25: R21.1 59.7,19.3 59.5,19.1 56.4,19.1 56.2,19.3 56.2,20.25 U3.3 56.1,27.557 57.093,28.55 60.48,28.55 U4.13
PA0_LOW_BEAM: P5.25 R9.1 U1.2 | length 12.9
  Top Layer w0.254: R9.1 78.225,38.4 ; U1.2 77.625,32.115 78.225,32.715 78.225,38.4 ; P5.25 78.725,40.249 78.704,40.27 78.47,40.27 78.225,40.025 78.225,38.4
PA1_HAZARDS: P5.24 R8.1 U1.4 | length 16.9
  Top Layer w0.254: v1(78.9,32.695) 78.9,32.665 80.165,31.4 U1.4 80.165,29.2 80.604,28.761 80.604,26.239 79.725,25.36 R8.1 ; v1(79.013,36.113) 79.013,36.206 79.225,36.419 P5.24
  Bottom Layer w0.254: v1(78.9,32.695) 78.956,32.751 78.956,36.056 v1(79.013,36.113)
PA2_RPI_USART2_TX: P5.23 P6.10 | length 68.2
  Top Layer w0.254: P6.10 33.755,55.755 34.4,56.4 80,56.4 81.021,55.379 v1(81.021,47.579) ; P5.23 79.734,40.216 79.734,39.26 80,38.994 v1(80,38.9)
  Bottom Layer w0.254: v1(80,38.9) 81.021,39.921 v1(81.021,47.579)
PA3_RPI_USART2_RX: P5.22 P6.8 | length 69.6
  Top Layer w0.254: P6.8 31.2,53.855 31.2,56.4 31.613,56.813 80.337,56.813 81.6,55.549 v1(81.6,48.9) ; P5.22 80.234,40.234 80.234,41.24 80.4,41.406 v1(80.4,41.5)
  Bottom Layer w0.254: v1(80.4,41.5) 80.4,47.778 81.522,48.9 v1(81.6,48.9)
PA4_DRL: P5.21 R7.1 U1.6 | length 15.9
  Top Layer w0.254: P5.21 80.725,37.971 80.713,37.959 80.713,36.368 79.6,35.255 79.6,32.665 80.847,31.419 80.881,31.419 81.1,31.2 81.705,31.2 82.705,30.2 U1.6 82.705,29.2 83.305,28.6 84.3,28.6 84.5,28.4 R7.1
PA5_DRIVE: P5.20 R6.1 U1.8 | length 13.9
  Top Layer w0.254: v1(80.8,35.6) 80.8,35.694 81.225,36.119 P5.20 ; v1(82.3,35.6) 83.975,35.6 ; U1.8 83.975,35.6 ; R6.1 86.525,36.6 84.2,36.6 83.975,36.375 83.975,35.6
  Bottom Layer w0.254: v1(80.8,35.6) v1(82.3,35.6)
PA6_NEUTRAL: P5.19 R5.1 U1.10 | length 13.8
  Top Layer w0.254: P5.19 81.725,36.044 81.435,35.754 U1.10 81.446,34.089 81.446,32.994 82.1,32.34 82.635,32.34 82.732,32.244 85.844,32.244 86.2,32.6 R5.1
PA7_REVERSE: P5.18 R4.1 U1.12 | length 10.6
  Top Layer w0.254: U1.12 78.932,34.138 78.932,35.202 79.809,36.079 79.809,36.684 v1(79.875,36.75) ; P5.18 82.225,37.6 ; v1(82.312,36.838) 82.225,36.925 82.225,37.6 ; R4.1@83.662,37.588 R4.1 82.275,37.65 82.225,37.6
  Bottom Layer w0.254: v1(79.875,36.75) 79.919,36.794 82.269,36.794 v1(82.312,36.838)
PA8: P5.7
PA9: P5.6
PA10: P5.5
PA15/LED_RED: P5.39
PB0_POWER: P5.17 R14.1 U2.4 | length 13.9
  Top Layer w0.254: P5.17 82.725,38.855 82.98,38.6 91.975,38.6 92.175,38.4 92.175,37.025 R14.1 U2.4
PB1/REG: C31.1 P5.16 R28.2 R30.1 | length 15.9
  Top Layer w0.25: v2(82.725,41.58) 82.732,41.587 82.732,41.6 83.225,41.107 P5.16 ; v2(83.8,49) 83.8,49.825 83.975,50 C31.1 R30.1 84.9,52.29 R28.2
  Bottom Layer w0.25: v2(82.725,41.58) 82.725,45.66 83.8,46.735 v2(83.8,49)
PB2: P5.15
PB3/LED_GREEN: P5.38
PB4/LED_BLUE: P5.37
PB5/LED_BLUE: P5.36
PB6/USART1_TX: P5.34
PB7/USART1_RX: P5.33
PB8/I2C1_SCL: P5.32
PB9_FAN_EN: P5.31 R32.1 | length 151.8
  Top Layer w0.25: R32.1 22.3,9.4 22.5,9.2 v1(22.5,0.7) ; P5.31 81.235,43.835 81.235,44.891 81.705,45.361 v1(81.705,45.375) ; v1(82.675,47.9) 94.4,47.9 v1(95.1,47.2)
  Bottom Layer w0.25: v1(22.5,0.7) 97.9,0.7 99,1.8 99,37.425 95.1,41.325 v1(95.1,47.2) ; v1(81.705,45.375) 81.705,47.605 82,47.9 v1(82.675,47.9)
PB10_I2C2_SCL: P5.14 R18.2 SCL.TP U4.1 | length 41.8
  Top Layer w0.254: U4.1 51.8,34.88 52.214,35.294 52.214,37.3 ; SCL.TP 52.214,37.3 ; R18.2 58.6,41.447 58.553,41.4 ; v1(75.3,41.6) 75.1,41.4 58.553,41.4 ; v1(79.8,42.1) 79.859,42.159 83.048,42.159 84.216,40.991 84.216,40.234 P5.14 ; 52.214,37.3 52.214,40.205 53.409,41.4 58.553,41.4
  Bottom Layer w0.254: v1(75.3,41.6) 75.8,42.1 v1(79.8,42.1)
PB11_I2C2_SDA: P5.13 R17.2 SDA.TP U4.2 | length 43.2
  Top Layer w0.254: U4.2 51.8,33.61 52.621,34.431 52.621,40.007 53.214,40.6 54.657,40.6 ; SDA.TP 54.572,40.515 54.657,40.6 ; P5.13 84.725,41.675 83.7,42.7 79.581,42.7 77.726,40.846 60.646,40.846 60.4,40.6 54.657,40.6
PB12/SPI2_NSS: P5.11
PB13/SPI2_SCK: P5.10
PB14/SPI2_MISO: P5.9
PB15/SPI2_MOSI: P5.8
PC13: P5.30
PWR_BTN: C2.1 P3.1 R3.1 | length 67
  Top Layer w0.254: C2.1 v1(71.2,9.7) 73.7,9.7 74.628,8.772 74.628,2.072 75,1.7 91.947,1.7 94.9,4.653 94.9,25.86 97.975,28.935 R3.1
  Top Layer w0.5: P3.1@70.18,5.655 70.2,5.675 C2.1
PWR_FILTER: C3.1 R3.2 U2.2 | length 3.7
  Top Layer w0.254: U2.2 C3.1 R3.2
PWR_LED: P3.3 U3.15 | length 27.8
  Top Layer w0.4: U3.15 55.45,13.35 56.8,12 74.6,12 76.18,10.42 P3.3@76.18,5.655
PWR_LED_EN: R22.1 U3.4 U4.11 | length 13.7
  Top Layer w0.25: U3.4 v1(55.45,26) ; v1(58.1,26) 58.105,25.995 60.495,25.995 U4.11 63.37,25.99 R22.1
  Bottom Layer w0.25: v1(55.45,26) v1(58.1,26)
REVERSE_BTN: C5.1 P3.5 R10.1 | length 34.4
  Top Layer w0.25: C5.1 82.186,9.706 v1(83.225,9.706)
  Top Layer w0.254: R10.1 73.1,30.85 v1(73.1,19.3) ; v1(73.8,16) 75.9,13.9 v1(82.5,13.9)
  Top Layer w0.5: P3.5@82.18,5.655 C5.1
  Bottom Layer w0.25: v1(82.5,13.9) 82.5,10.431 v1(83.225,9.706)
  Bottom Layer w0.254: v1(73.1,19.3) 73.1,16.9 73.6,16.4 73.6,16.294 73.8,16.094 v1(73.8,16)
REVERSE_FILTER: C6.1 R10.2 U1.13 | length 6
  Top Layer w0.254: R10.2 C6.1 77.2,32.5 77.6,32.9 77.6,34.075 U1.13
REVERSE_LED: P3.7 U3.18 | length 40.2
  Top Layer w0.4: U3.18 68.181,14.45 70.639,16.908 78.955,16.908 81.31,14.552 85.673,14.552 88.18,12.045 P3.7@88.18,5.655
REVERSE_LED_EN: R19.1 U3.1 U4.12 | length 12.7
  Top Layer w0.25: U3.1 57.4,26.7 57.96,27.26 U4.12 R19.1@63.55,27.26
pads on no net: M1.1 M1.4 P1. P2.0 P3.0 P4. P5.

## Polygon pours and split planes (outlines as drawn)
+12V on Top Layer "COMPONENT_SIDE_NONET_P-001" (solid, pour order 23): 89,47.525 89,42.72 89.053,42.773 93.932,42.773 93.932,47.457 94,47.525
3V3 on Top Layer "3V3_L01_P022" (solid, pour order 22): 85.197,46.91 85.342,46.765 88.609,46.765 88.609,42.22 88.609,41.651 89.11,41.651 85.197,41.651
GND on Top Layer "GND_L01_P027" (solid, remove dead copper, pour order 27): -2.5,62.5 102.5,62.5 102.5,-2.5 -2.5,-2.5
GND on Top Layer "GND_L01_P026" (solid, pour order 26): 10.475,25 10.475,31.7 10.475,47.7 35,47.7 35,25
+5V on Top Layer "+5V_L01_P025" (solid, pour order 25): 0,37 0,60 27.8,60 27.8,44.2 27.6,44 10.95,44 10.95,37.075 11,37.025
NetC20_2 on Top Layer "NETC20_2_L01_P024" (solid, pour order 24): 12.575,35 11.3,35 11.3,37 0,37 0,30.081 12.575,30.081
GND on Bottom Layer "GND_L02_P028" (solid, remove dead copper, pour order 28): 102.5,-2.5 102.5,62.5 -2.5,62.5 -2.5,-2.5

## Keep-outs
Keep-Out Layer:
  the board outline again, w0.254

## Other copper
Top Layer:
  drawing of 21 lines, arcs and shapes, not listed

## Silkscreen, mask and mechanical layers (free items; w line width, h text height)
Top Overlay:
  lines w0.254: 69.75,12.5 69.75,47.525 99.725,47.525 99.725,12.5 69.75,12.5
  text "CENTER CONSOLE  / REV 1.0" at 87.4,52 h0.8
  text "VBAT" at 33.089,12.218 h0.8
  text "BOTTOM / BUTTONS" at 58.231,9 h0.8
  text "TOP / BUTTONS" at 90.061,8.95 h0.8
  text "FAN / GND" at 4.6,7.65 h0.8
  text "VBAT" at 4.75,5.035 h0.8
  text "GND" at 29,1.843 h0.8
  text "VBAT" at 32.25,1.843 h0.8
Top Solder:
  drawing of 19 lines, arcs and shapes, not listed